# Altium PCB high-spped-thermocouple-logger.PcbDoc (part 1 of 3) (continued)
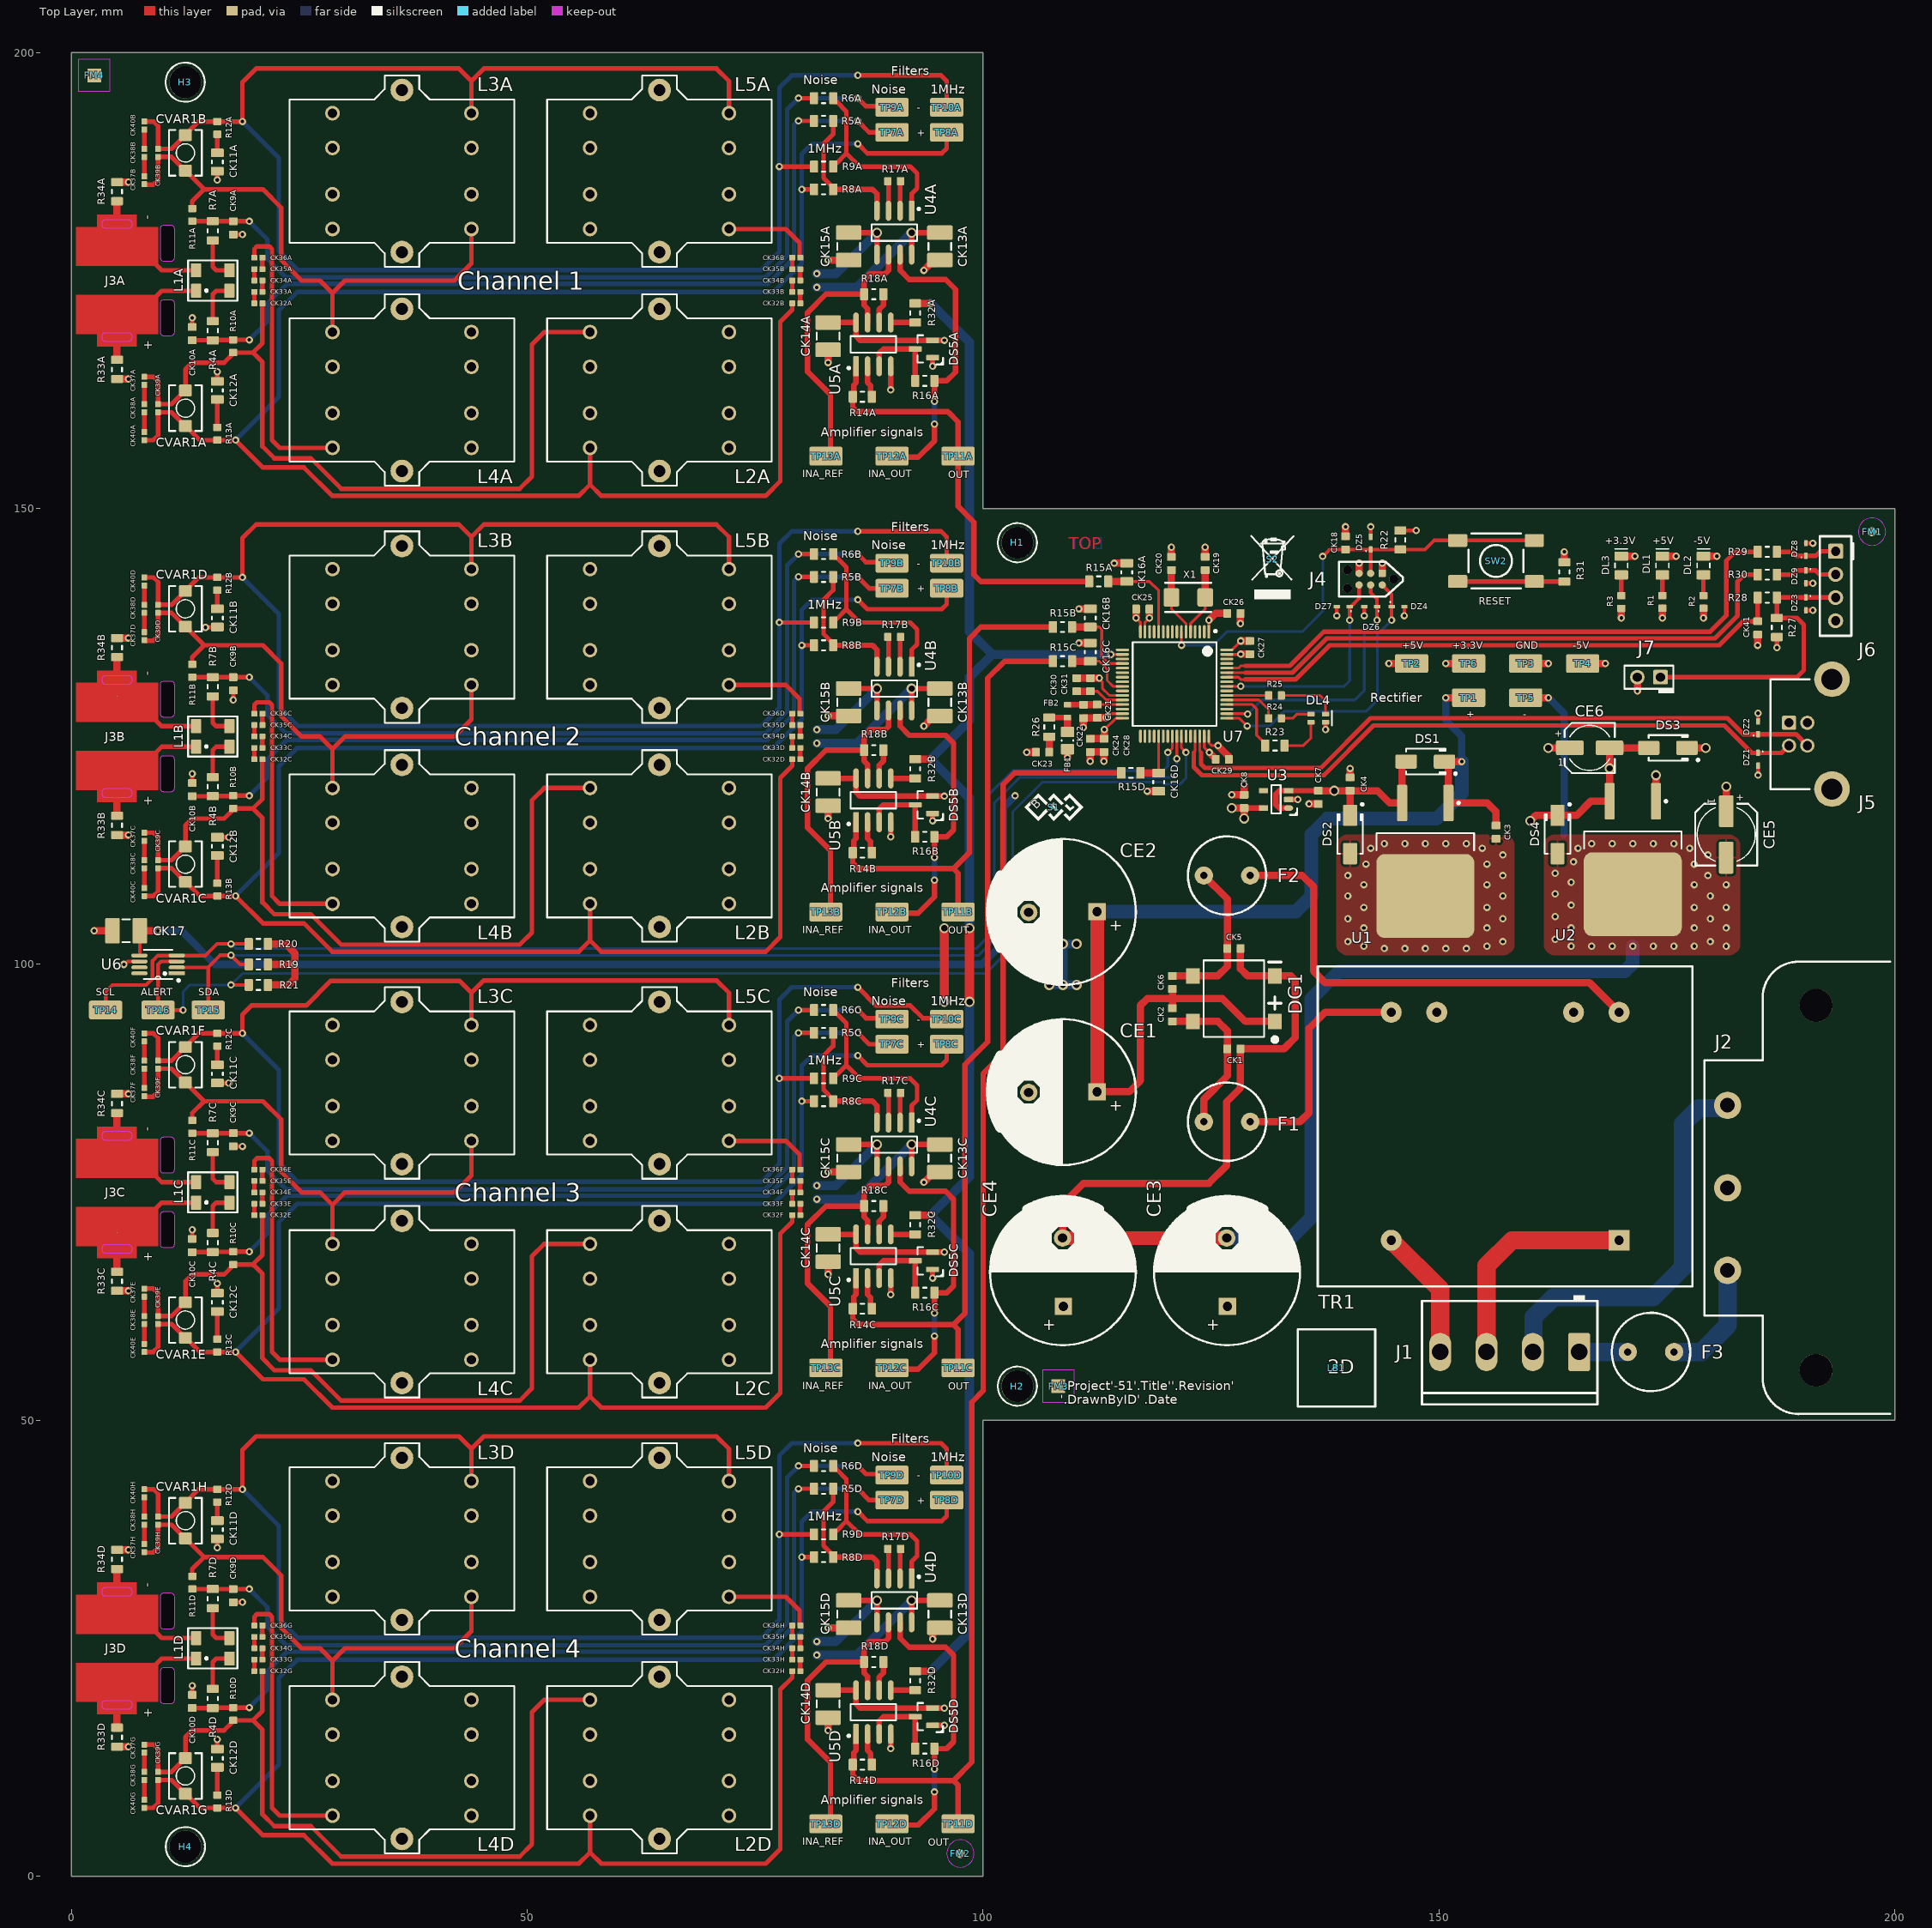
[diagram p0: Top Layer view]
## Components (designator, comment, footprint, x,y, rotation, side; value= is the part's Value field where it differs from the comment) (continued)
CK35C "470p" CAPC1005X06N(SMC0402) 20.5,126.25 r0 top (schematic designator CK35)
CK35D "470p" CAPC1005X06N(SMC0402) 79.5,126.25 r180 top (schematic designator CK35)
CK35E "470p" CAPC1005X06N(SMC0402) 20.5,76.25 r0 top (schematic designator CK35)
CK35F "470p" CAPC1005X06N(SMC0402) 79.5,76.25 r180 top (schematic designator CK35)
CK35G "470p" CAPC1005X06N(SMC0402) 20.5,26.25 r0 top (schematic designator CK35)
CK35H "470p" CAPC1005X06N(SMC0402) 79.5,26.25 r180 top (schematic designator CK35)
CK36A "220p" CAPC1005X06N(SMC0402) 20.5,177.5 r180 top (schematic designator CK36)
CK36B "220p" CAPC1005X06N(SMC0402) 79.5,177.5 r0 top (schematic designator CK36)
CK36C "220p" CAPC1005X06N(SMC0402) 20.5,127.5 r180 top (schematic designator CK36)
CK36D "220p" CAPC1005X06N(SMC0402) 79.5,127.5 r0 top (schematic designator CK36)
CK36E "220p" CAPC1005X06N(SMC0402) 20.5,77.5 r180 top (schematic designator CK36)
CK36F "220p" CAPC1005X06N(SMC0402) 79.5,77.5 r0 top (schematic designator CK36)
CK36G "220p" CAPC1005X06N(SMC0402) 20.5,27.5 r180 top (schematic designator CK36)
CK36H "220p" CAPC1005X06N(SMC0402) 79.5,27.5 r0 top (schematic designator CK36)
CK37A "470p" CAPC1005X06N(SMC0402) 8,164 r270 top (schematic designator CK37)
CK37B "470p" CAPC1005X06N(SMC0402) 8,186 r90 top (schematic designator CK37)
CK37C "470p" CAPC1005X06N(SMC0402) 8,114 r270 top (schematic designator CK37)
CK37D "470p" CAPC1005X06N(SMC0402) 8,136 r90 top (schematic designator CK37)
CK37E "470p" CAPC1005X06N(SMC0402) 8,64 r270 top (schematic designator CK37)
CK37F "470p" CAPC1005X06N(SMC0402) 8,86 r90 top (schematic designator CK37)
CK37G "470p" CAPC1005X06N(SMC0402) 8,14 r270 top (schematic designator CK37)
CK37H "470p" CAPC1005X06N(SMC0402) 8,36 r90 top (schematic designator CK37)
CK38A "470p" CAPC1005X06N(SMC0402) 8,161 r270 top (schematic designator CK38)
CK38B "470p" CAPC1005X06N(SMC0402) 8,189 r90 top (schematic designator CK38)
CK38C "470p" CAPC1005X06N(SMC0402) 8,111 r270 top (schematic designator CK38)
CK38D "470p" CAPC1005X06N(SMC0402) 8,139 r90 top (schematic designator CK38)
CK38E "470p" CAPC1005X06N(SMC0402) 8,61 r270 top (schematic designator CK38)
CK38F "470p" CAPC1005X06N(SMC0402) 8,89 r90 top (schematic designator CK38)
CK38G "470p" CAPC1005X06N(SMC0402) 8,11 r270 top (schematic designator CK38)
CK38H "470p" CAPC1005X06N(SMC0402) 8,39 r90 top (schematic designator CK38)
CK39A "220p" CAPC1005X06N(SMC0402) 9.5,161 r270 top (schematic designator CK39)
CK39B "220p" CAPC1005X06N(SMC0402) 9.5,189 r90 top (schematic designator CK39)
CK39C "220p" CAPC1005X06N(SMC0402) 9.5,111 r270 top (schematic designator CK39)
CK39D "220p" CAPC1005X06N(SMC0402) 9.5,139 r90 top (schematic designator CK39)
CK39E "220p" CAPC1005X06N(SMC0402) 9.5,61 r270 top (schematic designator CK39)
CK39F "220p" CAPC1005X06N(SMC0402) 9.5,89 r90 top (schematic designator CK39)
CK39G "220p" CAPC1005X06N(SMC0402) 9.5,11 r270 top (schematic designator CK39)
CK39H "220p" CAPC1005X06N(SMC0402) 9.5,39 r90 top (schematic designator CK39)
CK40A "470p" CAPC1005X06N(SMC0402) 8,157.94 r270 top (schematic designator CK40)
CK40B "470p" CAPC1005X06N(SMC0402) 8,192 r90 top (schematic designator CK40)
CK40C "470p" CAPC1005X06N(SMC0402) 8,107.94 r270 top (schematic designator CK40)
CK40D "470p" CAPC1005X06N(SMC0402) 8,142 r90 top (schematic designator CK40)
CK40E "470p" CAPC1005X06N(SMC0402) 8,57.94 r270 top (schematic designator CK40)
CK40F "470p" CAPC1005X06N(SMC0402) 8,92 r90 top (schematic designator CK40)
CK40G "470p" CAPC1005X06N(SMC0402) 8,7.94 r270 top (schematic designator CK40)
CK40H "470p" CAPC1005X06N(SMC0402) 8,42 r90 top (schematic designator CK40)
CK41 "100n" CAPC1608X09N(SMC0603) 184.95,136.9 r270 top
CVAR1A "3.5 - 10pF" CTSC3S 12.5,161 r180 top (schematic designator CVAR1)
CVAR1B "3.5 - 10pF" CTSC3S 12.5,189 r0 top (schematic designator CVAR1)
CVAR1C "3.5 - 10pF" CTSC3S 12.5,111 r180 top (schematic designator CVAR1)
CVAR1D "3.5 - 10pF" CTSC3S 12.5,139 r0 top (schematic designator CVAR1)
CVAR1E "3.5 - 10pF" CTSC3S 12.5,61 r180 top (schematic designator CVAR1)
CVAR1F "3.5 - 10pF" CTSC3S 12.5,89 r0 top (schematic designator CVAR1)
CVAR1G "3.5 - 10pF" CTSC3S 12.5,11 r180 top (schematic designator CVAR1)
CVAR1H "3.5 - 10pF" CTSC3S 12.5,39 r0 top (schematic designator CVAR1)
DG1 "DF04S" DIP300RM5.08_SMD 127.5,96.25 r180 top
DL1 "SMDBLUE" DIOC2012X12N(SMLED0805)B 174.5,143.75 r270 top
DL2 "SMDBLUE" DIOC2012X12N(SMLED0805)B 179,143.75 r270 top
DL3 "SMDGREEN" DIOC2012X12N(SMLED0805)G 170,143.75 r270 top
DL4 "150066M173000" WE_150066M173000 136.75,127 r0 top
DS1 "B340A" DIOM5127X23N(SMA) 148.5,122.25 r180 top
DS2 "B340A" DIOM5127X23N(SMA) 140.25,114.25 r270 top
DS3 "B340A" DIOM5127X23N(SMA) 175.1,123.75 r180 top
DS4 "B340A" DIOM5127X23N(SMA) 163,114.25 r270 top
DS5A "BAT54S" SOT95P230X110-3N(SOT23) 93.5,167.5 r180 top (schematic designator DS5)
DS5B "BAT54S" SOT95P230X110-3N(SOT23) 93.5,117.5 r180 top (schematic designator DS5)
DS5C "BAT54S" SOT95P230X110-3N(SOT23) 93.5,67.5 r180 top (schematic designator DS5)
DS5D "BAT54S" SOT95P230X110-3N(SOT23) 93.5,17.5 r180 top (schematic designator DS5)
DZ1 "PESD3V3U1UB" SODFL160X65-2N(SC79) 185,122.5 r270 top
DZ2 "PESD3V3U1UB" SODFL160X65-2N(SC79) 185,125.95 r90 top
DZ3 "PESD3V3U1UB" SODFL160X65-2N(SC79) 190.25,139.55 r270 top
DZ4 "PESD3V3U1UB" SODFL160X65-2N(SC79) 145.5,139.25 r0 top
DZ5 "PESD3V3U1UB" SODFL160X65-2N(SC79) 142.5,146.2 r90 top
DZ6 "PESD3V3U1UB" SODFL160X65-2N(SC79) 142.5,139.25 r180 top
DZ7 "PESD3V3U1UB" SODFL160X65-2N(SC79) 139.5,139.25 r180 top
DZ8 "PESD3V3U1UB" SODFL160X65-2N(SC79) 190.25,145.5 r90 top
DZ9 "PESD3V3U1UB" SODFL160X65-2N(SC79) 190.25,142.5 r270 top
F1 "T200mA" FUSE-C8.5 126.75,82.75 r180 top
F2 "T200mA" FUSE-C8.5 126.75,109.75 r180 top
F3 "T1.0A" FUSE-C8.5 173.25,57.5 r180 top
FB1 "1k5/0.2A" INDC2012X08N(SML0805) 109.25,124.555 r90 top
FB2 "300R/0.5A" MMZ1608 109.25,127.775 r90 top
FM1 "Fiducial Mark Circle" FM_CIRCLE_BTL 197.5,147.46 r0 top
FM2 "Fiducial Mark Circle" FM_CIRCLE_BTL 97.5,2.5 r0 top
FM3 "Fiducial Mark Square" FM_SQUARE_BTL 108.25,53.75 r0 top
FM4 "Fiducial Mark Square" FM_SQUARE_BTL 2.5,197.5 r0 top
H1 "MTHOLE_NP" HOLE3.5MM_NONPLATED 103.75,146.25 r0 top
H2 "MTHOLE_NP" HOLE3.5MM_NONPLATED 103.75,53.75 r0 top
H3 "MTHOLE_NP" HOLE3.5MM_NONPLATED 12.475,196.75 r0 top
H4 "MTHOLE_NP" HOLE3.5MM_NONPLATED 12.5,3.25 r0 top
J1 "5281-NA4M" 4P-NA-5.08 157.75,57.5 r180 top
J2 "230AC" SCHURTER_GSP1.8501.1 186.5,75.5 r90 top
J3A "TC_2PIN_FEMALE" TC_PCC-SMD 5,175 r270 top (schematic designator J3)
J3B "TC_2PIN_FEMALE" TC_PCC-SMD 5,125 r270 top (schematic designator J3)
J3C "TC_2PIN_FEMALE" TC_PCC-SMD 5,75 r270 top (schematic designator J3)
J3D "TC_2PIN_FEMALE" TC_PCC-SMD 5,25 r270 top (schematic designator J3)
J4 "000-TC2030-ARM100" TC2030-MCP-NL 142.5,142.25 r180 top
J5 "67068-04" USB-B 190.75,125.25 r90 top
J6 "SSW-104-02-T-S-RA" SSW-104-02-T-S-RA 193.5,141.5 r270 top
J7 "PSH02-02W" Official_PSH0202W 174.29,131.5 r180 top
L1A "5k/0.45A" WE_744235110 15.5,175 r0 top (schematic designator L1)
L1B "5k/0.45A" WE_744235110 15.5,125 r0 top (schematic designator L1)
L1C "5k/0.45A" WE_744235110 15.5,75 r0 top (schematic designator L1)
L1D "5k/0.45A" WE_744235110 15.5,25 r0 top (schematic designator L1)
L2A "RM6" RM6 64.5,163 r0 top (schematic designator L2)
L2B "RM6" RM6 64.5,113 r0 top (schematic designator L2)
L2C "RM6" RM6 64.5,63 r0 top (schematic designator L2)
L2D "RM6" RM6 64.5,13 r0 top (schematic designator L2)
L3A "RM6" RM6 36.25,187 r180 top (schematic designator L3)
L3B "RM6" RM6 36.25,137 r180 top (schematic designator L3)
L3C "RM6" RM6 36.25,87 r180 top (schematic designator L3)
L3D "RM6" RM6 36.25,37 r180 top (schematic designator L3)
L4A "RM6" RM6 36.25,163 r0 top (schematic designator L4)
L4B "RM6" RM6 36.25,113 r0 top (schematic designator L4)
L4C "RM6" RM6 36.25,63 r0 top (schematic designator L4)
L4D "RM6" RM6 36.25,13 r0 top (schematic designator L4)
L5A "RM6" RM6 64.5,187 r180 top (schematic designator L5)
L5B "RM6" RM6 64.5,137 r180 top (schematic designator L5)
L5C "RM6" RM6 64.5,87 r180 top (schematic designator L5)
L5D "RM6" RM6 64.5,37 r180 top (schematic designator L5)
LB1 "LABEL_MATRIX_CODE" MATRIX_CODE 138.75,55.75 r0 top
R1 "470R" RESC1608X06N(SMR0603) 174.5,139.754 r270 top
R2 "470R" RESC1608X06N(SMR0603) 179,139.754 r270 top
R3 "470R" RESC1608X06N(SMR0603) 170,139.75 r270 top
R4A "10R" RESC2012X06N(SMR0805) 15.5,169.5 r90 top (schematic designator R4)
R4B "10R" RESC2012X06N(SMR0805) 15.5,119.5 r90 top (schematic designator R4)
R4C "10R" RESC2012X06N(SMR0805) 15.5,69.5 r90 top (schematic designator R4)
R4D "10R" RESC2012X06N(SMR0805) 15.5,19.5 r90 top (schematic designator R4)
R5A "0R" RESC2012X06N(SMR0805) 82.5,192.5 r0 top (schematic designator R5)
R5B "0R" RESC2012X06N(SMR0805) 82.5,142.5 r0 top (schematic designator R5)
R5C "0R" RESC2012X06N(SMR0805) 82.5,92.5 r0 top (schematic designator R5)
R5D "0R" RESC2012X06N(SMR0805) 82.5,42.5 r0 top (schematic designator R5)
R6A "0R" RESC2012X06N(SMR0805) 82.5,195 r0 top (schematic designator R6)
R6B "0R" RESC2012X06N(SMR0805) 82.5,145 r0 top (schematic designator R6)
R6C "0R" RESC2012X06N(SMR0805) 82.5,95 r0 top (schematic designator R6)
R6D "0R" RESC2012X06N(SMR0805) 82.5,45 r0 top (schematic designator R6)
R7A "10R" RESC2012X06N(SMR0805) 15.5,180.45 r90 top (schematic designator R7)
R7B "10R" RESC2012X06N(SMR0805) 15.5,130.45 r90 top (schematic designator R7)
R7C "10R" RESC2012X06N(SMR0805) 15.5,80.45 r90 top (schematic designator R7)
R7D "10R" RESC2012X06N(SMR0805) 15.5,30.45 r90 top (schematic designator R7)
R8A "0R" RESC2012X06N(SMR0805) 82.5,185 r0 top (schematic designator R8)
R8B "0R" RESC2012X06N(SMR0805) 82.5,135 r0 top (schematic designator R8)
R8C "0R" RESC2012X06N(SMR0805) 82.5,85 r0 top (schematic designator R8)
R8D "0R" RESC2012X06N(SMR0805) 82.5,35 r0 top (schematic designator R8)
R9A "0R" RESC2012X06N(SMR0805) 82.5,187.5 r0 top (schematic designator R9)
R9B "0R" RESC2012X06N(SMR0805) 82.5,137.5 r0 top (schematic designator R9)
R9C "0R" RESC2012X06N(SMR0805) 82.5,87.5 r0 top (schematic designator R9)
R9D "0R" RESC2012X06N(SMR0805) 82.5,37.5 r0 top (schematic designator R9)
R10A "470R" RESC1608X06N(SMR0603) 17.75,167.8 r270 top (schematic designator R10)
R10B "470R" RESC1608X06N(SMR0603) 17.75,117.8 r270 top (schematic designator R10)
R10C "470R" RESC1608X06N(SMR0603) 17.75,67.8 r270 top (schematic designator R10)
R10D "470R" RESC1608X06N(SMR0603) 17.75,17.8 r270 top (schematic designator R10)
R11A "470R" RESC1608X06N(SMR0603) 13.25,182.2 r90 top (schematic designator R11)
R11B "470R" RESC1608X06N(SMR0603) 13.25,132.2 r90 top (schematic designator R11)
R11C "470R" RESC1608X06N(SMR0603) 13.25,82.2 r90 top (schematic designator R11)
R11D "470R" RESC1608X06N(SMR0603) 13.25,32.2 r90 top (schematic designator R11)
R12A "470R" RESC1608X06N(SMR0603) 16,191.74 r90 top (schematic designator R12)
R12B "470R" RESC1608X06N(SMR0603) 16,141.74 r90 top (schematic designator R12)
R12C "470R" RESC1608X06N(SMR0603) 16,91.74 r90 top (schematic designator R12)
R12D "470R" RESC1608X06N(SMR0603) 16,41.74 r90 top (schematic designator R12)
R13A "470R" RESC1608X06N(SMR0603) 16,158.2 r270 top (schematic designator R13)
R13B "470R" RESC1608X06N(SMR0603) 16,108.2 r270 top (schematic designator R13)
R13C "470R" RESC1608X06N(SMR0603) 16,58.2 r270 top (schematic designator R13)
R13D "470R" RESC1608X06N(SMR0603) 16,8.2 r270 top (schematic designator R13)
R14A "10k" RESC2012X06N(SMR0805) 86.75,162.25 r0 top (schematic designator R14)
R14B "10k" RESC2012X06N(SMR0805) 86.75,112.25 r0 top (schematic designator R14)
R14C "10k" RESC2012X06N(SMR0805) 86.75,62.25 r0 top (schematic designator R14)
R14D "10k" RESC2012X06N(SMR0805) 86.75,12.25 r0 top (schematic designator R14)
R15A "47R" RESC2012X06N(SMR0805) 112.675,142 r180 top (schematic designator R15)
R15B "47R" RESC2012X06N(SMR0805) 108.7,137 r180 top (schematic designator R15)
R15C "47R" RESC2012X06N(SMR0805) 108.7,133.25 r180 top (schematic designator R15)
R15D "47R" RESC2012X06N(SMR0805) 116.2,121 r180 top (schematic designator R15)
R16A "10k" RESC2012X06N(SMR0805) 93.6,164 r0 top (schematic designator R16)
R16B "10k" RESC2012X06N(SMR0805) 93.6,114 r0 top (schematic designator R16)
R16C "10k" RESC2012X06N(SMR0805) 93.6,64 r0 top (schematic designator R16)
R16D "10k" RESC2012X06N(SMR0805) 93.6,14 r0 top (schematic designator R16)
R17A "54R9" RESC1608X06N(SMR0603) 90.25,185.905 r0 top (schematic designator R17)
R17B "54R9" RESC1608X06N(SMR0603) 90.25,135.905 r0 top (schematic designator R17)
R17C "54R9" RESC1608X06N(SMR0603) 90.25,85.905 r0 top (schematic designator R17)
R17D "54R9" RESC1608X06N(SMR0603) 90.25,35.905 r0 top (schematic designator R17)
R18A "10k" RESC2012X06N(SMR0805) 88,173.5 r0 top (schematic designator R18)
R18B "10k" RESC2012X06N(SMR0805) 88,123.5 r0 top (schematic designator R18)
R18C "10k" RESC2012X06N(SMR0805) 88,73.5 r0 top (schematic designator R18)
R18D "10k" RESC2012X06N(SMR0805) 88,23.5 r0 top (schematic designator R18)
R19 "10k" RESC2012X06N(SMR0805) 20.5,100 r0 top
R20 "10k" RESC2012X06N(SMR0805) 20.5,102.25 r0 top
R21 "10k" RESC2012X06N(SMR0805) 20.5,97.75 r0 top
R22 "10k" RESC2012X06N(SMR0805) 145.75,146.55 r90 top
R23 "1k" RESC2012X06N(SMR0805) 132,124 r180 top
R24 "470R" RESC1608X06N(SMR0603) 132,127 r0 top
R25 "470R" RESC1608X06N(SMR0603) 132,129.5 r0 top
R26 "4R7" RESC2012X06N(SMR0805) 107.25,126.025 r90 top
R27 "10k" RESC2012X06N(SMR0805) 187.05,136.95 r270 top
R28 "1k" RESC2012X06N(SMR0805) 186,140.23 r0 top
R29 "47R" RESC2012X06N(SMR0805) 186,145.25 r0 top
R30 "47R" RESC2012X06N(SMR0805) 186,142.75 r0 top
R31 "47R" RESC2012X06N(SMR0805) 163.75,143.05 r90 top
R32A "10k" RESC2012X06N(SMR0805) 92.55,171.45 r90 top (schematic designator R32)
R32B "10k" RESC2012X06N(SMR0805) 92.55,121.45 r90 top (schematic designator R32)
R32C "10k" RESC2012X06N(SMR0805) 92.55,71.45 r90 top (schematic designator R32)
R32D "10k" RESC2012X06N(SMR0805) 92.55,21.45 r90 top (schematic designator R32)
R33A "10Meg" RESC2012X06N(SMR0805) 5,165.25 r270 top (schematic designator R33)
R33B "10Meg" RESC2012X06N(SMR0805) 5,115.25 r270 top (schematic designator R33)
R33C "10Meg" RESC2012X06N(SMR0805) 5,65.25 r270 top (schematic designator R33)
R33D "10Meg" RESC2012X06N(SMR0805) 5,15.25 r270 top (schematic designator R33)
R34A "10Meg" RESC2012X06N(SMR0805) 5,184.75 r270 top (schematic designator R34)
R34B "10Meg" RESC2012X06N(SMR0805) 5,134.75 r270 top (schematic designator R34)
R34C "10Meg" RESC2012X06N(SMR0805) 5,84.75 r270 top (schematic designator R34)
R34D "10Meg" RESC2012X06N(SMR0805) 5,34.75 r270 top (schematic designator R34)
S1 "SYMBOL_LOGO_BTL" BTL_LOGO_3MM 107.75,117.25 r0 top
S2 "SYMBOL_CROSSED_BIN" CROSSED_BIN 131.75,144.425 r0 top
SW2 "LSH1301" LSH_SWITCH 156.25,144.25 r0 top
TP1 "Test Point" SMD_Testpoint_Onelayer 153.25,129.25 r0 top
TP2 "Test Point" SMD_Testpoint_Onelayer 147,133 r180 top
TP3 "Test Point" SMD_Testpoint_Onelayer 159.5,133 r180 top
TP4 "Test Point" SMD_Testpoint_Onelayer 165.75,133 r180 top
TP5 "Test Point" SMD_Testpoint_Onelayer 159.5,129.25 r0 top
TP6 "Test Point" SMD_Testpoint_Onelayer 153.25,133 r180 top
TP7A "Test Point" SMD_Testpoint_Onelayer 90,191.25 r180 top (schematic designator TP7)
TP7B "Test Point" SMD_Testpoint_Onelayer 90,141.25 r180 top (schematic designator TP7)
TP7C "Test Point" SMD_Testpoint_Onelayer 90,91.25 r180 top (schematic designator TP7)
TP7D "Test Point" SMD_Testpoint_Onelayer 90,41.25 r180 top (schematic designator TP7)
TP8A "Test Point" SMD_Testpoint_Onelayer 96,191.25 r180 top (schematic designator TP8)
TP8B "Test Point" SMD_Testpoint_Onelayer 96,141.25 r180 top (schematic designator TP8)
TP8C "Test Point" SMD_Testpoint_Onelayer 96,91.25 r180 top (schematic designator TP8)
TP8D "Test Point" SMD_Testpoint_Onelayer 96,41.25 r180 top (schematic designator TP8)
TP9A "Test Point" SMD_Testpoint_Onelayer 90,194 r180 top (schematic designator TP9)
TP9B "Test Point" SMD_Testpoint_Onelayer 90,144 r180 top (schematic designator TP9)
TP9C "Test Point" SMD_Testpoint_Onelayer 90,94 r180 top (schematic designator TP9)
TP9D "Test Point" SMD_Testpoint_Onelayer 90,44 r180 top (schematic designator TP9)
TP10A "Test Point" SMD_Testpoint_Onelayer 96,194 r180 top (schematic designator TP10)
TP10B "Test Point" SMD_Testpoint_Onelayer 96,144 r180 top (schematic designator TP10)
TP10C "Test Point" SMD_Testpoint_Onelayer 96,94 r180 top (schematic designator TP10)
TP10D "Test Point" SMD_Testpoint_Onelayer 96,44 r180 top (schematic designator TP10)
TP11A "Test Point" SMD_Testpoint_Onelayer 97.25,155.75 r180 top (schematic designator TP11)
TP11B "Test Point" SMD_Testpoint_Onelayer 97.25,105.75 r180 top (schematic designator TP11)
TP11C "Test Point" SMD_Testpoint_Onelayer 97.25,55.75 r180 top (schematic designator TP11)
TP11D "Test Point" SMD_Testpoint_Onelayer 97.25,5.75 r180 top (schematic designator TP11)
TP12A "Test Point" SMD_Testpoint_Onelayer 90,155.75 r0 top (schematic designator TP12)
TP12B "Test Point" SMD_Testpoint_Onelayer 90,105.75 r0 top (schematic designator TP12)
TP12C "Test Point" SMD_Testpoint_Onelayer 90,55.75 r0 top (schematic designator TP12)
TP12D "Test Point" SMD_Testpoint_Onelayer 90,5.75 r0 top (schematic designator TP12)
TP13A "Test Point" SMD_Testpoint_Onelayer 82.75,155.75 r180 top (schematic designator TP13)
TP13B "Test Point" SMD_Testpoint_Onelayer 82.75,105.75 r180 top (schematic designator TP13)
TP13C "Test Point" SMD_Testpoint_Onelayer 82.75,55.75 r180 top (schematic designator TP13)
TP13D "Test Point" SMD_Testpoint_Onelayer 82.75,5.75 r180 top (schematic designator TP13)
TP14 "Test Point" SMD_Testpoint_Onelayer 3.75,95 r0 top
TP15 "Test Point" SMD_Testpoint_Onelayer 15,95 r180 top
TP16 "Test Point" SMD_Testpoint_Onelayer 9.5,95 r180 top
TR1 "44200" 44200 157.25,82.25 r0 top
U1 "7805" DPAK254P1544X483-3N(D2PAK) 148.5,111.3 r270 top
U2 "7905" DPAK254P1544X483-3N(D2PAK) 171.25,111.5 r270 top
U3 "TLV73333PDBVT" SOT95P280X145-5N(SOT23-5) 132.125,118.1 r180 top
U4A "AD8421BRZ" SOIC127P600X175-8N(SOIC_8) 90.25,180.25 r270 top (schematic designator U4)
U4B "AD8421BRZ" SOIC127P600X175-8N(SOIC_8) 90.25,130.25 r270 top (schematic designator U4)
U4C "AD8421BRZ" SOIC127P600X175-8N(SOIC_8) 90.25,80.25 r270 top (schematic designator U4)
U4D "AD8421BRZ" SOIC127P600X175-8N(SOIC_8) 90.25,30.25 r270 top (schematic designator U4)
U5A "OPA2863DR" SOIC127P600X175-8N(SOIC_8) 87.96,168 r90 top (schematic designator U5)
U5B "OPA2863DR" SOIC127P600X175-8N(SOIC_8) 87.96,118 r90 top (schematic designator U5)
U5C "OPA2863DR" SOIC127P600X175-8N(SOIC_8) 87.96,68 r90 top (schematic designator U5)
U5D "OPA2863DR" SOIC127P600X175-8N(SOIC_8) 87.96,18 r90 top (schematic designator U5)
U6 "AD7414ARMZ" RM_8(MSOP-8) 9.5,100 r180 top
U7 "STM32G474RET6" TSQFP50P1200X1200X160-64M 121,130.75 r270 top
X1 "8MHz" TXC_7A 122.5,140.25 r0 top

## Footprints (in the part's own frame and the unit in brackets; to place one, negate y for a bottom-side part, rotate by r counter-clockwise, add the part's x,y. Pads: shape width x height; smd on the part's side, far side on the other; paste and mask are expansions set on the pad)
4P-NA-5.08 [mm] "MOLEX 10-32-1041"
  rrect20% 2.4x4.2 hole 1.8: 1(-7.62,0)
  oval 2.4x4.2 hole 1.8: 2(-2.54,0) 3(2.54,0) 4(7.62,0)
  silkscreen extent -9.62,-6.24 9.62,5.75, body extent -9.62,-5.6 9.62,5.8, height 13.86
44200 [mm] "44200"
  rect 2.3x2.3 hole 1: 1(12.5,-12.5)
  round 2.3 hole 1: 5(-12.5,-12.5) 6(-12.5,12.5) 7(-7.5,12.5) 9(7.5,12.5) 10(12.5,12.5)
  silkscreen extent -20.55,-17.55 20.55,17.55, body extent -20.5,-17.5 20.5,17.5, height 28
BTL_LOGO_3MM [mm] "BTL Logo 3mm Height"
  silkscreen extent -3.21,-1.5 3.21,1.5
CAPAE5.5X5.5(C_SIZE) [mil] "Capacitor, Aluminium Electrolytic, Case Size C"
  rrect20% 119x63 smd: 1(-86,0) 2(86,0)
  silkscreen extent -108,-108 108,108, body extent -108,-108 108,108, height 217
CAPAE6.8X6.8(D_SIZE) [mm] "Capacitor, Aluminium Electrolytic, Case Size D"
  rrect20% 3.5x1.6 smd: 1(-2.55,0) 2(2.55,0)
  silkscreen extent -3.37,-3.4 3.4,3.4, body extent -3.4,-3.4 3.4,3.4, height 6.1
CAPC1005X06N(SMC0402) [mm] "Chip Capacitor, 2-Leads, Body 1,00x0,50mm, IPC Medium Density"
  rrect20% 0.66x0.62 smd: 1(-0.44,0) 2(0.44,0)
  body extent -0.52,-0.28 0.53,0.27, height 0.55
CAPC1608X09N(SMC0603) [mm] "Chip Capacitor, 2-Leads, Body 1,60x0,80mm, IPC Medium Density"
  rrect20% 0.85x0.95 smd: 1(-0.725,0) 2(0.725,0)
  body extent -0.85,-0.45 0.85,0.45, height 0.9
CAPC2012X14N(SMC0805) [mm] "Chip Capacitor, 2-Leads, Body 2,00x1,25mm, IPC Medium Density"
  rrect20% 0.95x1.4 smd: 1(-1,0) 2(1,0)
  silkscreen extent -0.15,-0.6 0.15,0.6, body extent -1.05,-0.67 1.05,0.67, height 1.45
CAPC3225X27N(SMC1210) [mm] "Chip Capacitor, 2-Leads, Body 3,20x2,50mm, IPC Medium Density"
  rrect20% 1.6x2.8 smd: 1(-1.5,0) 2(1.5,0)
  silkscreen extent -0.4,-1.25 0.4,1.25, body extent -1.65,-1.35 1.65,1.35, height 2.7
CROSSED_BIN [mm]
  silkscreen extent -2.35,-4.4 2.31,2.55
CTSC3S [mm] "SMT Trimmer Capacitor"
  rrect20% 1.4x1.3 smd: 1(0,-1.95) 2(0,1.95)
  silkscreen extent -1.8,-2.5 1.8,2.5, body extent -1.6,-2.26 1.6,2.26, height 1.5
DIOC2012X12N(SMLED0805)B [mm] "Chip LED, 2-Leads, Body 2,00x1,25mm, IPC Medium Density"
  rrect20% 1x1.5 smd: 1(-1.025,0) 2(1.025,0)
  silkscreen extent -1.8,-0.7 0.25,0.7, body extent -1.1,-0.72 1.1,0.73, height 0.8
DIOC2012X12N(SMLED0805)G [mm] "Chip LED, 2-Leads, Body 2,00x1,25mm, IPC Medium Density"
  rrect20% 1x1.5 smd: 1(-1.025,0) 2(1.025,0)
  silkscreen extent -1.8,-0.7 0.25,0.7, body extent -1.1,-0.72 1.1,0.73, height 1.1
DIOM5127X23N(SMA) [mm] "Molded Diode, 2-Leads, Body 5,10x2,67mm, IPC Medium Density"
  rrect20% 2.35x1.55 smd: 1(-2.1,0) 2(2.1,0)
  silkscreen extent -3.43,-1.4 2.1,1.45, body extent -2.6,-1.39 2.6,1.4, height 2.38
DIP300RM5.08_SMD [mm]
  rect 1.5x1.7 smd: 1(-4.5,2.5) 2(-4.5,-2.5) 3(4.5,-2.5) 4(4.5,2.5)
  silkscreen extent -5.2,-4.2 3.3,4.72, body extent -3.3,-4.3 3.3,4.3, height 3.1
DPAK254P1544X483-3N(D2PAK) [mm] "D2-PAK, 3-Pads, Body 7,93x8,69mm (max), IPC Medium Density"
  rrect20% 4x1.1 smd: 1(-6.4,2.54) 3(-6.4,-2.54)
  rrect20% 9.2x10.75 smd paste-5: 2(3.8,0)
  rect 3.9x4.5 on Top Paste: ""(1.5,2.6) ""(1.5,-2.6) ""(6,2.6) ""(6,-2.6)
  silkscreen extent -6.52,-5.35 -1.2,5.35, body extent -7.52,-5.08 7.75,5.08, height 4.88
ECE_16x31.5_RM7.5 [mil]
  rect 75x75 hole 40 mask+4: 1(-147.64,-1.5)
  round 75 hole 40 mask+4: 2(147.64,1.5)
  silkscreen extent -315,-315 315,315, body extent -325,-326 327,326, height 1339
FM_CIRCLE_BTL [mm] "Fiducial Mark, Circle, Top - Signal + Paste Engraving"
  round 1 smd paste-10 mask+1: ""(0,0)
  round 1 on Mech16 paste-10 mask+1: ""(0,0)
  Top Layer keep-out region: 1.5,0 1.386,0.574 1.061,1.061 0.574,1.386 0,1.5 0,1.5 -0.574,1.386 -1.061,1.061 -1.386,0.574 -1.5,0 -1.5,0 -1.386,-0.574 -1.061,-1.061 -0.574,-1.386 0,-1.5 0,-1.5 0.574,-1.386 1.061,-1.061 1.386,-0.574 1.5,0
FM_SQUARE_BTL [mm] "Fiducial Mark, Square, Top - Signal + Paste Engraving"
  rect 1.5x1.5 smd paste-10 mask+1: ""(0,0)
  rect 1.5x1.5 on Mech16 paste-10 mask+1: ""(0,0)
  Top Layer keep-out region: -1.75,-1.75 1.75,-1.75 1.75,1.75 -1.75,1.75 -1.75,-1.75
FUSE-C8.5 [mm] "Subminiature Fuse, Diameter 8.5 mm, Height 8.5mm"
  round 2 hole 0.8: 1(-2.54,0) 2(2.54,0)
  silkscreen extent -4.3,-4.3 4.3,4.3, body extent -4.25,-4.25 4.25,4.25, height 8.5
HOLE3.5MM_NONPLATED [mm]
  round 3.5 hole 3.5 unplated: #(0,0)
  silkscreen extent -2.15,-2.15 2.15,2.15
INDC2012X08N(SML0805) [mm] "Chip Inductor, 2-Leads, Body 2,00x1,25mm, IPC Medium Density"
  rrect20% 1.17x1.45 smd: 1(-0.945,0) 2(0.945,0)
  silkscreen extent -0.06,-0.63 0.06,0.63, body extent -1.1,-0.72 1.1,0.72, height 0.8
LSH_SWITCH [mm] "Tactile switch, 6x6mm, 5mm Height, SMD"
  rrect20% 2.1x1.4 smd: 1(-4.2,2.25) 1(4.2,2.25) 3(-4.2,-2.25) 3(4.2,-2.25)
  silkscreen extent -3,-3 3,3, body extent -3,-3 3,3, height 5
MATRIX_CODE [mm] "Matrix code sticker"
  silkscreen extent -4.25,-4.25 4.25,4.25, body extent -4,-4 4,4, height 0.11
MMZ1608 [mm] "Chip Inductor, 2-Leads, Body 1,60x0,80mm"
  rrect20% 0.6x0.8 smd: 1(-0.7,0) 2(0.7,0)
  body extent -0.87,-0.48 0.87,0.47, height 0.95
Official_PSH0202W [mm] "Low-profile male header, straight solder pins,"
  rrect20% 1.6x1.6 hole 1 mask+0: 1(0,0)
  round 1.6 hole 1 mask+0: 2(2.54,0)
  silkscreen extent -1.52,-1.27 3.96,1.78
RESC1608X06N(SMR0603) [mm] "Chip Resistor, 2-Leads, Body 1,60x0,80mm, IPC Medium Density"
  rrect20% 0.8x0.9 smd: 1(-0.7,0) 2(0.7,0)
  body extent -0.87,-0.45 0.88,0.45, height 0.55
RESC2012X06N(SMR0805) [mm] "Chip Resistor, 2-Leads, Body 2,00x1,25mm, IPC Medium Density"
  rrect20% 0.9x1.3 smd: 1(-1.05,0) 2(1.05,0)
  silkscreen extent -0.2,-0.55 0.2,0.55, body extent -1.1,-0.7 1.1,0.7, height 0.6
RM6 [mm] "Frame: B65808E1508T001, Core 2xRM6, 8pin"
  round 1.6 hole 1: 1(-7.62,6.35) 2(-7.62,-6.35) #(-7.62,-2.54) #(-7.62,2.54) #(7.62,-6.35) #(7.62,-2.54) #(7.62,2.54) #(7.62,6.35)
  round 2.5 hole 1.3: GND(0,-8.89) GND(0,8.89)
  silkscreen extent -12.32,-10.5 12.32,10.5, body extent -12.32,-10.2 12.32,10.2, height 12.65
RM_8(MSOP-8) [mil] "MSOP package AD"
  rrect20% 70x17 smd mask+4: 1(-80.5,38.39)
  oval 70x17 smd mask+4: 2(-80.5,12.8) 3(-80.5,-12.8) 4(-80.5,-38.39) 5(80.5,-38.39) 6(80.5,-12.8) 7(80.5,12.8) 8(80.5,38.39)
  silkscreen extent -94,-63 63,74, body extent -98,-59 98,59, height 36
SCHURTER_GSP1.8501.1 [mm] "Euro Power Socket 10A/230 VAC, straight ground"
  round 3 hole 1.6: 1(-9.05,4.85) 2(0,4.85) 3(9.05,4.85)
  round 3.6 hole 3.6 unplated: #(-20,-4.85) #(20,-4.85)
  Bottom Layer keep-out region: 15.9,-4.85 16.212,-6.419 17.101,-7.749 18.431,-8.638 20,-8.95 20,-8.95 21.569,-8.638 22.899,-7.749 23.788,-6.419 24.1,-4.85 24.1,-4.85 23.788,-3.281 22.899,-1.951 21.569,-1.062 20,-0.75 20,-0.75 18.431,-1.062 17.101,-1.951 16.212,-3.281 15.9,-4.85
  Bottom Layer keep-out region: -24.1,-4.85 -23.788,-6.419 -22.899,-7.749 -21.569,-8.638 -20,-8.95 -20,-8.95 -18.431,-8.638 -17.101,-7.749 -16.212,-6.419 -15.9,-4.85 -15.9,-4.85 -16.212,-3.281 -17.101,-1.951 -18.431,-1.062 -20,-0.75 -20,-0.75 -21.569,-1.062 -22.899,-1.951 -23.788,-3.281 -24.1,-4.85
  silkscreen extent -24.8,-13 24.8,7.4, body extent -24.8,-16.95 24.8,7.35, height 30.5
SMD_Testpoint_Onelayer [mm]
  rrect20% 3.65x2.05 smd: 1(0,0)
  body extent -1.63,-0.8 1.62,0.85, height 2.06
SODFL160X65-2N(SC79) [mm] "SODFL, 2-Leads, Body 0,80x1,60mm, IPC Medium Density"
  rrect20% 0.7x0.4 smd: 1(-0.7,0) 2(0.7,0)
  silkscreen extent -0.9,0.45 -0.8,0.55, body extent -0.85,-0.45 0.85,0.45, height 0.65
SOIC127P600X175-8N(SOIC_8) [mm] "SOIC, 8-Leads, Body 4,90x3,90mm, Pitch 1,27mm, IPC Medium Density"
  rrect20% 2.2x0.6 smd: 1(-2.4,1.905)
  oval 2.2x0.6 smd: 2(-2.4,0.635) 3(-2.4,-0.635) 4(-2.4,-1.905) 5(2.4,-1.905) 6(2.4,-0.635) 7(2.4,0.635) 8(2.4,1.905)
  silkscreen extent -2.72,-2.5 0.9,2.83, body extent -3,-2.45 3,2.45, height 1.75
SOT95P230X110-3N(SOT23) [mm] "SOT23, 3-Leads, Body 2,90x2,30mm, Pitch 0,95mm, IPC Medium Density"
  rrect20% 1.4x0.6 smd: 1(-0.95,0.95) 2(-0.95,-0.95) 3(0.95,0)
  silkscreen extent -2.1,-1.5 0.7,1.7, body extent -1.4,-1.45 1.4,1.45, height 1.3
SOT95P280X145-5N(SOT23-5) [mm] "SOT23, 5-Leads, Body 2,90x2,80mm, Pitch 0,95mm, IPC Medium Density"
  oval 1x0.6 smd: 1(-1.375,0.95)
  rrect20% 1x0.6 smd: 2(-1.375,0) 3(-1.375,-0.95) 4(1.375,-0.95) 5(1.375,0.95)
  silkscreen extent -2.3,-1.55 0.5,1.7, body extent -1.5,-1.52 1.5,1.53, height 1.45
SSW-104-02-T-S-RA [mm] "Header, 2.54mm, Female, R/A, 4pos, 1row"
  rrect20% 1.65x1.65 hole 1: 1(-3.81,0)
  round 1.65 hole 1: 2(-1.27,0) 3(1.27,0) 4(3.81,0)
  silkscreen extent -5.46,-1.73 5.46,1.93, body extent -5.33,-0.2 5.33,10.03, height 3.91
TC2030-MCP-NL [mm] "TagConnect ICSP Connector - W/O Legs"
  rrect20% 0.8x0.8 smd paste-5: 1(-1.27,-0.635)
  round 0.8 smd paste-5: 2(-1.27,0.635) 3(0,-0.635) 4(0,0.635) 5(1.27,-0.635) 6(1.27,0.635)
  round 1 hole 1 unplated: #(-2.54,0) #(2.54,-1.016)
  round 1 hole 1 unplated paste-2539.97: #(2.54,1.016)
  silkscreen extent -3.54,-1.9 3.46,1.9, body extent -4.95,-3.05 4.95,3.05, height 19.5